# Altium PCB PROC099A_PCB.PcbDoc (part 6 of 6)
Units mil, origin at the board's own origin, x right, y up, seen from the top; angles counter-clockwise.
Board outline 3180 x 2565 mil, 6 copper layers (TOP, L2, L3, L4, L5, BOTTOM), stack 55.54 mil thick; 362 components, 264 nets, 1248 pads, 1144 vias.
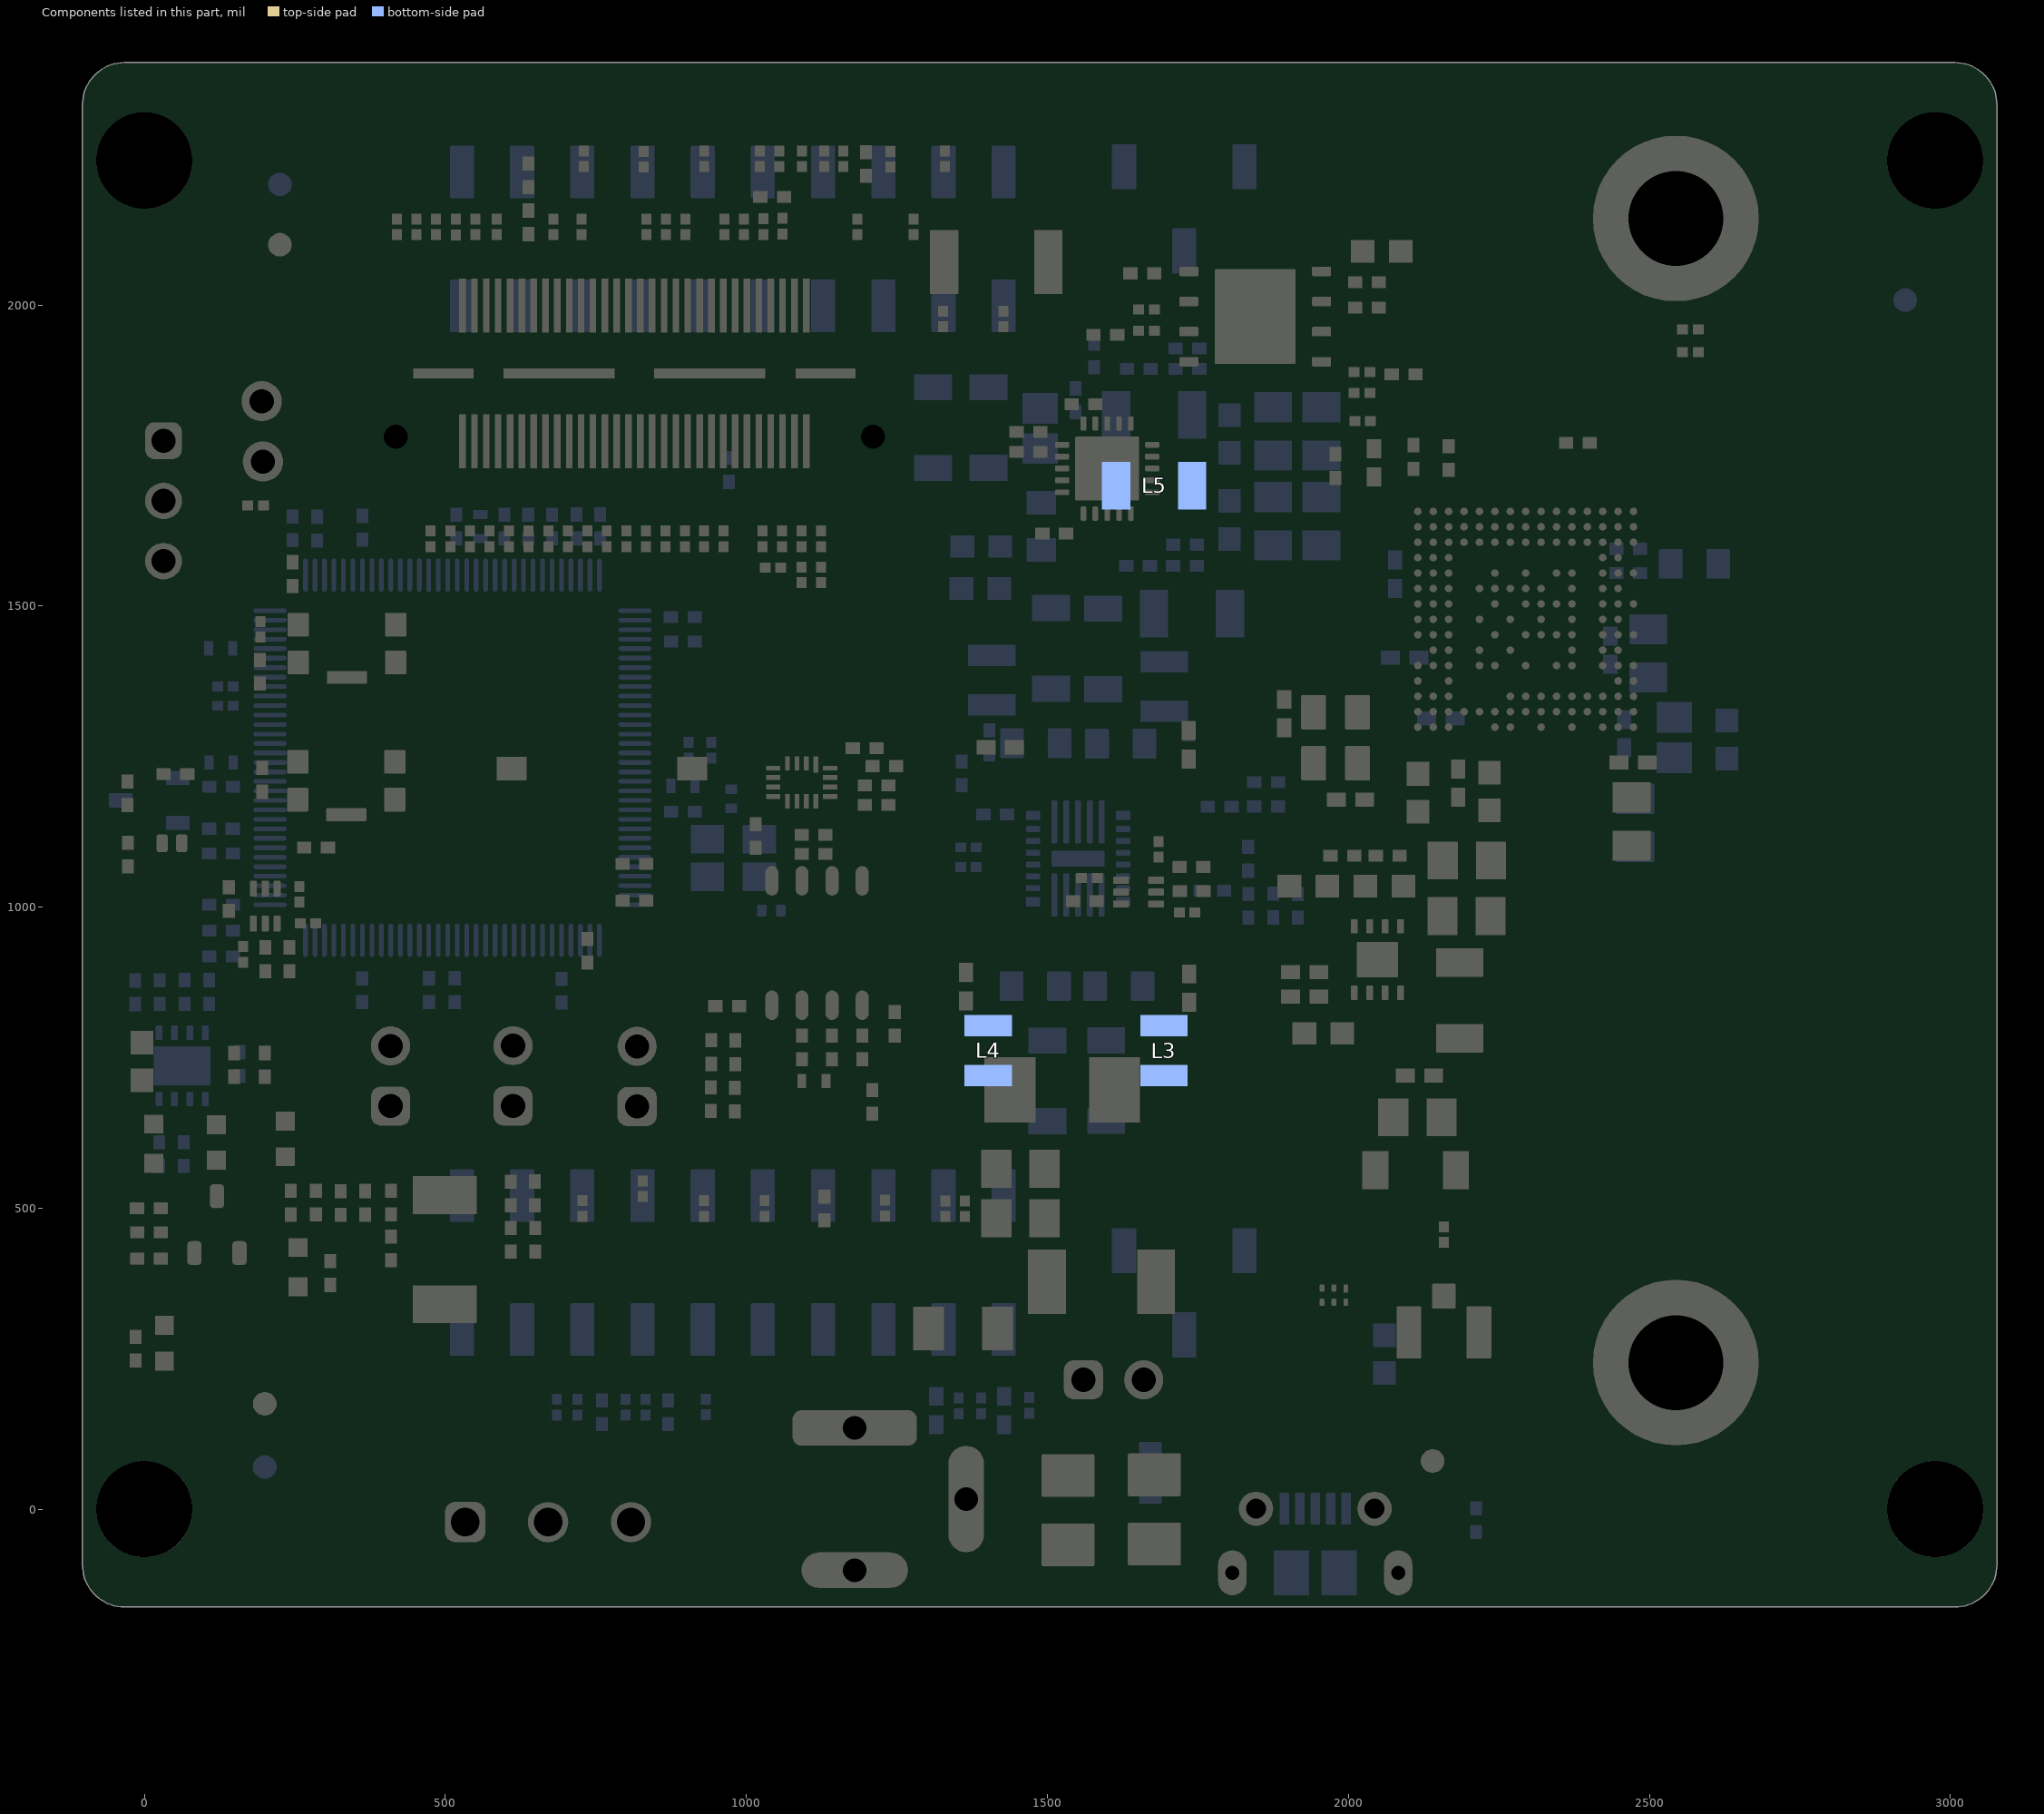
[diagram p10: the components of this part, seen from the top]

## Other copper (continued)
L3:
  pour cut-out: 1600.56,2174.5 1599.22,2181.22 1595.41,2186.91 1589.72,2190.72 1583,2192.06 1576.28,2190.72 1570.59,2186.91 1566.78,2181.22 1565.44,2174.5 1566.78,2167.78 1570.59,2162.09 1576.28,2158.28 1583,2156.94 1589.72,2158.28 1595.41,2162.09 1599.22,2167.78 1600.56,2174.5
  pour cut-out: 1386.56,2172.5 1385.22,2179.22 1381.41,2184.91 1375.72,2188.72 1369,2190.06 1362.28,2188.72 1356.59,2184.91 1352.78,2179.22 1351.44,2172.5 1352.78,2165.78 1356.59,2160.09 1362.28,2156.28 1369,2154.94 1375.72,2156.28 1381.41,2160.09 1385.22,2165.78 1386.56,2172.5
  pour cut-out: 1465.06,1124 1463.72,1130.72 1459.91,1136.41 1454.22,1140.22 1447.5,1141.56 1440.78,1140.22 1435.09,1136.41 1431.28,1130.72 1429.94,1124 1431.28,1117.28 1435.09,1111.59 1440.78,1107.78 1447.5,1106.44 1454.22,1107.78 1459.91,1111.59 1463.72,1117.28 1465.06,1124
  pour cut-out: 1820.56,1102 1819.22,1108.72 1815.41,1114.41 1809.72,1118.22 1803,1119.56 1796.28,1118.22 1790.59,1114.41 1786.78,1108.72 1785.44,1102 1786.78,1095.28 1790.59,1089.59 1796.28,1085.78 1803,1084.44 1809.72,1085.78 1815.41,1089.59 1819.22,1095.28 1820.56,1102
  pour cut-out: 2416.22,1501.7 2414.72,1509.2 2410.48,1515.56 2404.12,1519.8 2396.62,1521.3 2389.12,1519.8 2382.76,1515.56 2378.52,1509.2 2377.02,1501.7 2378.52,1494.2 2382.76,1487.84 2389.12,1483.6 2396.62,1482.1 2404.12,1483.6 2410.48,1487.84 2414.72,1494.2 2416.22,1501.7
  pour cut-out: 2135.56,970.5 2134.22,977.22 2130.41,982.91 2124.72,986.72 2118,988.06 2111.28,986.72 2105.59,982.91 2101.78,977.22 2100.44,970.5 2101.78,963.78 2105.59,958.09 2111.28,954.28 2118,952.94 2124.72,954.28 2130.41,958.09 2134.22,963.78 2135.56,970.5
  pour cut-out: 1881.56,952.5 1880.22,959.22 1876.41,964.91 1870.72,968.72 1864,970.06 1857.28,968.72 1851.59,964.91 1847.78,959.22 1846.44,952.5 1847.78,945.78 1851.59,940.09 1857.28,936.28 1864,934.94 1870.72,936.28 1876.41,940.09 1880.22,945.78 1881.56,952.5
  pour cut-out: 1904.56,1133.5 1903.22,1140.22 1899.41,1145.91 1893.72,1149.72 1887,1151.06 1880.28,1149.72 1874.59,1145.91 1870.78,1140.22 1869.44,1133.5 1870.78,1126.78 1874.59,1121.09 1880.28,1117.28 1887,1115.94 1893.72,1117.28 1899.41,1121.09 1903.22,1126.78 1904.56,1133.5
  pour cut-out: 1933.56,949.5 1932.22,956.22 1928.41,961.91 1922.72,965.72 1916,967.06 1909.28,965.72 1903.59,961.91 1899.78,956.22 1898.44,949.5 1899.78,942.78 1903.59,937.09 1909.28,933.28 1916,931.94 1922.72,933.28 1928.41,937.09 1932.22,942.78 1933.56,949.5
  pour cut-out: 1832.56,689.5 1831.22,696.22 1827.41,701.91 1821.72,705.72 1815,707.06 1808.28,705.72 1802.59,701.91 1798.78,696.22 1797.44,689.5 1798.78,682.78 1802.59,677.09 1808.28,673.28 1815,671.94 1821.72,673.28 1827.41,677.09 1831.22,682.78 1832.56,689.5
  pour cut-out: 1933.56,145.5 1932.22,152.22 1928.41,157.91 1922.72,161.72 1916,163.06 1909.28,161.72 1903.59,157.91 1899.78,152.22 1898.44,145.5 1899.78,138.78 1903.59,133.09 1909.28,129.28 1916,127.94 1922.72,129.28 1928.41,133.09 1932.22,138.78 1933.56,145.5
  pour cut-out: 1041.56,1842.5 1040.22,1849.22 1036.41,1854.91 1030.72,1858.72 1024,1860.06 1017.28,1858.72 1011.59,1854.91 1007.78,1849.22 1006.44,1842.5 1007.78,1835.78 1011.59,1830.09 1017.28,1826.28 1024,1824.94 1030.72,1826.28 1036.41,1830.09 1040.22,1835.78 1041.56,1842.5
  pour cut-out: 807.56,2308.5 806.22,2315.22 802.41,2320.91 796.72,2324.72 790,2326.06 783.28,2324.72 777.59,2320.91 773.78,2315.22 772.44,2308.5 773.78,2301.78 777.59,2296.09 783.28,2292.28 790,2290.94 796.72,2292.28 802.41,2296.09 806.22,2301.78 807.56,2308.5
  pour cut-out: 681.56,850 680.22,856.72 676.41,862.41 670.72,866.22 664,867.56 657.28,866.22 651.59,862.41 647.78,856.72 646.44,850 647.78,843.28 651.59,837.59 657.28,833.78 664,832.44 670.72,833.78 676.41,837.59 680.22,843.28 681.56,850
  pour cut-out: 741.56,125.5 740.22,132.22 736.41,137.91 730.72,141.72 724,143.06 717.28,141.72 711.59,137.91 707.78,132.22 706.44,125.5 707.78,118.78 711.59,113.09 717.28,109.28 724,107.94 730.72,109.28 736.41,113.09 740.22,118.78 741.56,125.5
  pour cut-out: 825.56,128.5 824.22,135.22 820.41,140.91 814.72,144.72 808,146.06 801.28,144.72 795.59,140.91 791.78,135.22 790.44,128.5 791.78,121.78 795.59,116.09 801.28,112.28 808,110.94 814.72,112.28 820.41,116.09 824.22,121.78 825.56,128.5
  pour cut-out: 467.56,2168.5 466.22,2175.22 462.41,2180.91 456.72,2184.72 450,2186.06 443.28,2184.72 437.59,2180.91 433.78,2175.22 432.44,2168.5 433.78,2161.78 437.59,2156.09 443.28,2152.28 450,2150.94 456.72,2152.28 462.41,2156.09 466.22,2161.78 467.56,2168.5
  pour cut-out: 479.56,1272.5 478.22,1279.22 474.41,1284.91 468.72,1288.72 462,1290.06 455.28,1288.72 449.59,1284.91 445.78,1279.22 444.44,1272.5 445.78,1265.78 449.59,1260.09 455.28,1256.28 462,1254.94 468.72,1256.28 474.41,1260.09 478.22,1265.78 479.56,1272.5
  pour cut-out: 468.56,280.5 467.22,287.22 463.41,292.91 457.72,296.72 451,298.06 444.28,296.72 438.59,292.91 434.78,287.22 433.44,280.5 434.78,273.78 438.59,268.09 444.28,264.28 451,262.94 457.72,264.28 463.41,268.09 467.22,273.78 468.56,280.5
  pour cut-out: 579.56,219.5 578.22,226.22 574.41,231.91 568.72,235.72 562,237.06 555.28,235.72 549.59,231.91 545.78,226.22 544.44,219.5 545.78,212.78 549.59,207.09 555.28,203.28 562,201.94 568.72,203.28 574.41,207.09 578.22,212.78 579.56,219.5
  pour cut-out: 527.56,221.5 526.22,228.22 522.41,233.91 516.72,237.72 510,239.06 503.28,237.72 497.59,233.91 493.78,228.22 492.44,221.5 493.78,214.78 497.59,209.09 503.28,205.28 510,203.94 516.72,205.28 522.41,209.09 526.22,214.78 527.56,221.5
  pour cut-out: 491.56,241.5 490.22,248.22 486.41,253.91 480.72,257.72 474,259.06 467.28,257.72 461.59,253.91 457.78,248.22 456.44,241.5 457.78,234.78 461.59,229.09 467.28,225.28 474,223.94 480.72,225.28 486.41,229.09 490.22,234.78 491.56,241.5
  pour cut-out: 366.56,1818.5 365.22,1825.22 361.41,1830.91 355.72,1834.72 349,1836.06 342.28,1834.72 336.59,1830.91 332.78,1825.22 331.44,1818.5 332.78,1811.78 336.59,1806.09 342.28,1802.28 349,1800.94 355.72,1802.28 361.41,1806.09 365.22,1811.78 366.56,1818.5
  pour cut-out: 332.56,1776.5 331.22,1783.22 327.41,1788.91 321.72,1792.72 315,1794.06 308.28,1792.72 302.59,1788.91 298.78,1783.22 297.44,1776.5 298.78,1769.78 302.59,1764.09 308.28,1760.28 315,1758.94 321.72,1760.28 327.41,1764.09 331.22,1769.78 332.56,1776.5
  pour cut-out: 284.56,1680.5 283.22,1687.22 279.41,1692.91 273.72,1696.72 267,1698.06 260.28,1696.72 254.59,1692.91 250.78,1687.22 249.44,1680.5 250.78,1673.78 254.59,1668.09 260.28,1664.28 267,1662.94 273.72,1664.28 279.41,1668.09 283.22,1673.78 284.56,1680.5
  pour cut-out: 142.56,686.5 141.22,693.22 137.41,698.91 131.72,702.72 125,704.06 118.28,702.72 112.59,698.91 108.78,693.22 107.44,686.5 108.78,679.78 112.59,674.09 118.28,670.28 125,668.94 131.72,670.28 137.41,674.09 141.22,679.78 142.56,686.5
  pour cut-out: 231.56,489.5 230.22,496.22 226.41,501.91 220.72,505.72 214,507.06 207.28,505.72 201.59,501.91 197.78,496.22 196.44,489.5 197.78,482.78 201.59,477.09 207.28,473.28 214,471.94 220.72,473.28 226.41,477.09 230.22,482.78 231.56,489.5
  pour cut-out: 334.56,451.5 333.22,458.22 329.41,463.91 323.72,467.72 317,469.06 310.28,467.72 304.59,463.91 300.78,458.22 299.44,451.5 300.78,444.78 304.59,439.09 310.28,435.28 317,433.94 323.72,435.28 329.41,439.09 333.22,444.78 334.56,451.5
  pour cut-out: 72.56,973.5 71.22,980.22 67.41,985.91 61.72,989.72 55,991.06 48.28,989.72 42.59,985.91 38.78,980.22 37.44,973.5 38.78,966.78 42.59,961.09 48.28,957.28 55,955.94 61.72,957.28 67.41,961.09 71.22,966.78 72.56,973.5
  pour cut-out: -14.44,807.5 -15.78,814.22 -19.59,819.91 -25.28,823.72 -32,825.06 -38.72,823.72 -44.41,819.91 -48.22,814.22 -49.56,807.5 -48.22,800.78 -44.41,795.09 -38.72,791.28 -32,789.94 -25.28,791.28 -19.59,795.09 -15.78,800.78 -14.44,807.5
  pour cut-out: 80.56,906.5 79.22,913.22 75.41,918.91 69.72,922.72 63,924.06 56.28,922.72 50.59,918.91 46.78,913.22 45.44,906.5 46.78,899.78 50.59,894.09 56.28,890.28 63,888.94 69.72,890.28 75.41,894.09 79.22,899.78 80.56,906.5
  pour cut-out: -30.44,715.5 -31.78,722.22 -35.59,727.91 -41.28,731.72 -48,733.06 -54.72,731.72 -60.41,727.91 -64.22,722.22 -65.56,715.5 -64.22,708.78 -60.41,703.09 -54.72,699.28 -48,697.94 -41.28,699.28 -35.59,703.09 -31.78,708.78 -30.44,715.5
  pour cut-out: 6.44,373.5 5.1,380.22 1.3,385.91 -4.4,389.72 -11.12,391.06 -17.84,389.72 -23.54,385.91 -27.34,380.22 -28.68,373.5 -27.34,366.78 -23.54,361.09 -17.84,357.28 -11.12,355.94 -4.4,357.28 1.3,361.09 5.1,366.78 6.44,373.5
  pour cut-out: 6.23,531.5 4.89,538.22 1.09,543.91 -4.61,547.72 -11.33,549.06 -18.05,547.72 -23.74,543.91 -27.55,538.22 -28.89,531.5 -27.55,524.78 -23.74,519.09 -18.05,515.28 -11.33,513.94 -4.61,515.28 1.09,519.09 4.89,524.78 6.23,531.5
  pour cut-out: 1425.56,1065 1424.22,1071.72 1420.41,1077.41 1414.72,1081.22 1408,1082.56 1401.28,1081.22 1395.59,1077.41 1391.78,1071.72 1390.44,1065 1391.78,1058.28 1395.59,1052.59 1401.28,1048.78 1408,1047.44 1414.72,1048.78 1420.41,1052.59 1424.22,1058.28 1425.56,1065
  pour cut-out: 1380.56,918 1379.22,924.72 1375.41,930.41 1369.72,934.22 1363,935.56 1356.28,934.22 1350.59,930.41 1346.78,924.72 1345.44,918 1346.78,911.28 1350.59,905.59 1356.28,901.78 1363,900.44 1369.72,901.78 1375.41,905.59 1379.22,911.28 1380.56,918
  pour cut-out: 1161.56,2065.5 1160.22,2072.22 1156.41,2077.91 1150.72,2081.72 1144,2083.06 1137.28,2081.72 1131.59,2077.91 1127.78,2072.22 1126.44,2065.5 1127.78,2058.78 1131.59,2053.09 1137.28,2049.28 1144,2047.94 1150.72,2049.28 1156.41,2053.09 1160.22,2058.78 1161.56,2065.5
  pour cut-out: 1225.56,2281.5 1224.22,2288.22 1220.41,2293.91 1214.72,2297.72 1208,2299.06 1201.28,2297.72 1195.59,2293.91 1191.78,2288.22 1190.44,2281.5 1191.78,2274.78 1195.59,2269.09 1201.28,2265.28 1208,2263.94 1214.72,2265.28 1220.41,2269.09 1224.22,2274.78 1225.56,2281.5
  pour cut-out: 596.76,532.5 595.42,539.22 591.61,544.91 585.92,548.72 579.2,550.06 572.48,548.72 566.78,544.91 562.98,539.22 561.64,532.5 562.98,525.78 566.78,520.09 572.48,516.28 579.2,514.94 585.92,516.28 591.61,520.09 595.42,525.78 596.76,532.5
  pour cut-out: 1589.58,2229.48 1588.24,2236.2 1584.43,2241.9 1578.74,2245.7 1572.02,2247.04 1565.3,2245.7 1559.61,2241.9 1555.8,2236.2 1554.46,2229.48 1555.8,2222.76 1559.61,2217.06 1565.3,2213.26 1572.02,2211.92 1578.74,2213.26 1584.43,2217.06 1588.24,2222.76 1589.58,2229.48
  pour cut-out: 1604.43,2016.01 1603.09,2022.73 1599.28,2028.42 1593.59,2032.23 1586.87,2033.57 1580.15,2032.23 1574.45,2028.42 1570.65,2022.73 1569.31,2016.01 1570.65,2009.29 1574.45,2003.59 1580.15,1999.79 1586.87,1998.45 1593.59,1999.79 1599.28,2003.59 1603.09,2009.29 1604.43,2016.01
  pour cut-out: 2001.15,1420.93 2001.15,1399.1 2010.71,1389.54 2033.02,1389.54 2042.9,1399.42 2042.9,1422.35 2034.76,1430.49 2010.7,1430.49
  pour cut-out: 2388.47,801.94 2388.47,787.64 2399.47,776.64 2411.42,776.64 2420.44,785.66 2420.44,800.04 2411.42,809.06 2395.59,809.06
  pour cut-out: 2325.12,882.28 2325.12,867.98 2336.12,856.98 2348.06,856.98 2357.09,866 2357.09,880.38 2348.06,889.4 2332.24,889.4
  pour cut-out: 2072.08,1321.15 2072.08,1305.01 2081.98,1295.11 2101.41,1295.11 2114.7,1308.4 2114.7,1320.49 2104.79,1330.41 2081.34,1330.41
  pour cut-out: 1755.04,2103.69 1755.04,2078.14 1763.26,2069.92 1780.02,2069.92 1796.11,2086.02 1796.11,2105.18 1789.22,2112.08 1763.42,2112.08
  pour cut-out: 2060.04,2009.43 2060.04,1983.88 2068.26,1975.66 2085.02,1975.66 2101.11,1991.76 2101.11,2010.92 2094.22,2017.82 2068.42,2017.82
  pour cut-out: 2221.47,724.94 2221.47,706.23 2231.08,696.62 2245.63,696.62 2253.44,704.43 2253.44,724.46 2245.84,732.06 2228.59,732.06
  pour cut-out: 216.76,785.5 215.42,792.22 211.62,797.91 205.92,801.72 199.2,803.06 192.48,801.72 186.79,797.91 182.98,792.22 181.64,785.5 182.98,778.78 186.79,773.09 192.48,769.28 199.2,767.94 205.92,769.28 211.62,773.09 215.42,778.78 216.76,785.5
  pour cut-out: 1078.54,924.46 1077.21,931.18 1073.4,936.88 1067.7,940.68 1060.98,942.02 1054.27,940.68 1048.57,936.88 1044.76,931.18 1043.43,924.46 1044.76,917.74 1048.57,912.05 1054.27,908.24 1060.98,906.9 1067.7,908.24 1073.4,912.05 1077.21,917.74 1078.54,924.46
  pour cut-out: 2470.18,1676.36 2470.18,1662.36 2496.03,1636.52 2510.94,1636.52 2510.94,1707.84 2501.66,1707.84
  pour cut-out: 930.41,1685.77 930.41,1690.52 920.25,1700.69 920.25,1723.05 929.65,1732.45 971.87,1732.45 974.54,1729.79
  pour cut-out: 2186.37,1031.38 2185.03,1038.1 2181.23,1043.8 2175.53,1047.6 2168.81,1048.94 2162.09,1047.6 2156.4,1043.8 2152.59,1038.1 2151.26,1031.38 2152.59,1024.67 2156.4,1018.97 2162.09,1015.16 2168.81,1013.83 2175.53,1015.16 2181.23,1018.97 2185.03,1024.67 2186.37,1031.38
  pour cut-out: 2269.24,957 2269.24,942.7 2280.24,931.7 2292.18,931.7 2301.2,940.73 2301.2,955.1 2292.18,964.12 2276.36,964.12
  text "3" at 68.06,102.36 h50
  text ".Layer_Name" at -523,-1458.49 h60
L4:
  drawing of 93 lines, arcs and shapes, not listed
  text "4" at 68.06,102.36 h50
  text ".Layer_Name" at -523,-1458.49 h60
L5:
  text "5" at 68.06,102.36 h50
  text ".Layer_Name" at -523,-1458.49 h60
BOTTOM:
  pour cut-out: 2691.21,2143.55 2689.4,2166.59 2684.01,2189.06 2675.16,2210.41 2663.09,2230.11 2648.08,2247.68 2630.51,2262.69 2610.81,2274.76 2589.46,2283.61 2566.99,2289 2543.95,2290.81 2520.91,2289 2498.44,2283.61 2477.09,2274.76 2457.39,2262.69 2439.82,2247.68 2424.81,2230.11 2412.74,2210.41 2403.89,2189.06 2398.5,2166.59 2396.69,2143.55 2398.5,2120.51 2403.89,2098.04 2412.74,2076.69 2424.81,2056.99 2439.82,2039.42 2457.39,2024.41 2477.09,2012.34 2498.44,2003.49 2520.91,1998.1 2543.95,1996.29 2566.99,1998.1 2589.46,2003.49 2610.81,2012.34 2630.51,2024.41 2648.08,2039.42 2663.09,2056.99 2675.16,2076.69 2684.01,2098.04 2689.4,2120.51 2691.21,2143.55
  pour cut-out: 2691.21,243.55 2689.4,266.59 2684.01,289.06 2675.16,310.41 2663.09,330.11 2648.08,347.68 2630.51,362.69 2610.81,374.76 2589.46,383.61 2566.99,389 2543.95,390.81 2520.91,389 2498.44,383.61 2477.09,374.76 2457.39,362.69 2439.82,347.68 2424.81,330.11 2412.74,310.41 2403.89,289.06 2398.5,266.59 2396.69,243.55 2398.5,220.51 2403.89,198.04 2412.74,176.69 2424.81,156.99 2439.82,139.42 2457.39,124.41 2477.09,112.34 2498.44,103.49 2520.91,98.1 2543.95,96.29 2566.99,98.1 2589.46,103.49 2610.81,112.34 2630.51,124.41 2648.08,139.42 2663.09,156.99 2675.16,176.69 2684.01,198.04 2689.4,220.51 2691.21,243.55
  pour cut-out: 2027.6,469.16 2026.1,476.66 2021.86,483.02 2015.5,487.26 2008,488.76 2000.5,487.26 1994.14,483.02 1989.9,476.66 1988.4,469.16 1989.9,461.66 1994.14,455.3 2000.5,451.06 2008,449.56 2015.5,451.06 2021.86,455.3 2026.1,461.66 2027.6,469.16
  pour cut-out: 2559.6,1753.5 2558.1,1761 2553.86,1767.36 2547.5,1771.6 2540,1773.1 2532.5,1771.6 2526.14,1767.36 2521.9,1761 2520.4,1753.5 2521.9,1746 2526.14,1739.64 2532.5,1735.4 2540,1733.9 2547.5,1735.4 2553.86,1739.64 2558.1,1746 2559.6,1753.5
  pour cut-out: 2597.6,1841.5 2596.1,1849 2591.86,1855.36 2585.5,1859.6 2578,1861.1 2570.5,1859.6 2564.14,1855.36 2559.9,1849 2558.4,1841.5 2559.9,1834 2564.14,1827.64 2570.5,1823.4 2578,1821.9 2585.5,1823.4 2591.86,1827.64 2596.1,1834 2597.6,1841.5
  pour cut-out: 2920.17,1934.93 2918.67,1942.43 2914.43,1948.79 2908.07,1953.03 2900.57,1954.53 2893.07,1953.03 2886.71,1948.79 2882.47,1942.43 2880.97,1934.93 2882.47,1927.43 2886.71,1921.07 2893.07,1916.83 2900.57,1915.33 2908.07,1916.83 2914.43,1921.07 2918.67,1927.43 2920.17,1934.93
  pour cut-out: 2863.6,1991.5 2862.1,1999 2857.86,2005.36 2851.5,2009.6 2844,2011.1 2836.5,2009.6 2830.14,2005.36 2825.9,1999 2824.4,1991.5 2825.9,1984 2830.14,1977.64 2836.5,1973.4 2844,1971.9 2851.5,1973.4 2857.86,1977.64 2862.1,1984 2863.6,1991.5
  pour cut-out: 2151.7,1291.49 2147.75,1291.49 2115.09,1258.83 2115.09,1267.92 2129.83,1282.66 2129.83,1293.11 2123.32,1299.62 2097.57,1299.62 2093.78,1295.83 2084.86,1295.83 2077.28,1303.41 2077.28,1358.83 2083.95,1365.49 2097.57,1365.49 2103.93,1359.14 2103.93,1333.24 2107.42,1329.76 2150.88,1329.76 2156.72,1323.91 2156.72,1296.51
  pour cut-out: 2115.09,1148.14 2115.09,1128.65 2129.49,1114.24 2123.74,1108.49 2093.29,1108.49 2085.17,1116.61 2085.17,1128.76 2096.68,1140.27 2107.22,1140.27
  text "6" at 101.39,102.36 h50
  text ".Layer_Name" at -523,-1458.49 h60

## Silkscreen, mask and mechanical layers (free items; w line width, h text height)
Top Overlay:
  circle w6: c894.62,627.38 r17.83
  circle w6: c485.18,628.05 r17.83
  circle w6: c688.62,628.38 r17.83
  circle w6: c-42.06,1837.57 r14.11
  circle w6: c1489.33,267.42 r14.11
  circle w6: c2007.63,386.64 r7.14
  text "HD_CONN" at 325,1793.5 h35 r90
  text "GND" at -48.33,1613 h35 r90
  text "2243-EVM" at 648,1502.5 h30
  text "PROC099 REV A" at 652,1437.33 h30
  text "GPIO1" at 504.55,1382.74 h35 r90
  text "SPI" at 569.09,1196.05 h35 r90
  text "CAN" at 987.03,1180.35 h35 r90
  text "NRST" at 504.55,1144.97 h35 r90
  text "ON" at 914.7,1109.62 h35 r90.31
  text "SOP2" at 424,836.5 h35 r90
  text "SOP1" at 624,831.5 h35 r90
  text "SOP0" at 829,831.5 h35 r90
  text "5V" at 278.28,691.14 h35 r90
  text "NERR_OUT" at 107.44,686.5 h35 r90
  text "5V_IN" at 1117.5,271 h35
  text "NRST" at 298.71,228.51 h35 r90
  text "WARMRST" at 134.9,184 h32 r89.47
  text "GND" at 679.67,133 h35 r90
  text "CAN_L" at 963.67,65 h35 r90
  text "CAN_H" at 439.67,64 h35 r90
  text "USB" at 1958,-52.5 h35 r90
  text ".Layer_Name" at -523,-1458.49 h60
Bottom Overlay:
  drawing of 8192 lines, arcs and shapes, not listed
  text "GND" at 1635.34,2394.5 h35 r90
  text "GND" at 1736.34,2394.5 h35 r90
  text "GND" at 544.67,2389.5 h35 r90
  text "3V3" at 1842.66,2383.93 h30 r90
  text "GND" at 691.34,695.5 h35 r90
  text "GND" at 1639.34,609.5 h35 r90
  text "GND" at 1748.34,608.5 h35 r90
  text ".Layer_Name" at -523,-1458.49 h60
Top Paste:
  text ".Layer_Name" at -523,-1458.49 h60
Bottom Paste:
  text ".Layer_Name" at -523,-1458.49 h60
Top Solder:
  text ".Layer_Name" at -523,-1458.49 h60
  text ".Layer_Name" at -523,-1458.49 h60
Bottom Solder:
  pour cut-out: 1481.31,1176.95 1481.31,1160.02 1464.38,1160.02 1464.38,1144.28 1495.09,1144.28 1495.09,1176.95 1481.31,1176.95
  pour cut-out: 1620.69,1176.95 1620.69,1160.02 1637.62,1160.02 1637.62,1144.28 1606.91,1144.28 1606.91,1176.95 1620.69,1176.95
  pour cut-out: 1481.31,984.05 1481.31,1000.98 1464.38,1000.98 1464.38,1016.72 1495.09,1016.72 1495.09,984.05 1481.31,984.05
  pour cut-out: 1620.69,984.05 1620.69,1000.98 1637.62,1000.98 1637.62,1016.72 1606.91,1016.72 1606.91,984.05 1620.69,984.05
  text ".Layer_Name" at -523,-1458.49 h60
Drill Guide:
  text ".Layer_Name" at -523,-1458.49 h60
M1 Board Outline:
  the board outline again, w10
  text ".Layer_Name" at -523,-1458.49 h60
M2 Board Dimensions:
  text ".Layer_Name" at -523,-1458.49 h60
M3 3D STEP Top:
  drawing of 2189 lines, arcs and shapes, not listed
  text ".Layer_Name" at -523,-1458.49 h60
M4 3D STEP Bottom:
  drawing of 3548 lines, arcs and shapes, not listed
  text ".Layer_Name" at -523,-1458.49 h60
M5 Assembly Top:
  region: 1573.73,232.01 1541.58,232.01 1541.58,199 1573.73,199
  rectangle: 3.25,1755.12 61.5,1795.24
  rectangle: 392.36,652.17 425.79,686.46
  rectangle: 595.1,653.88 628.11,683.89
  rectangle: 804.71,651.74 836.86,684.75
  rectangle: 505.35,-45.85 561.85,-0.8
  lines w10: -1392,-1530.17 5208,-1530.17 ; -1392,-1326.83 5210,-1326.83 ; -1392,-1123.5 -1392,-1733.5 2613,-1733.5 5210,-1733.5 5210,-1123.5 -1391.5,-1123.5 -1391.5,-1733.5 184,-1733.5 ; 1073,-1733.5 1073,-1123.5 ; 2340,-1326.83 2340,-1123.5 ; 3180,-1326.83 3180,-1123.5 ; 3802,-1740 3802,-1537.17
  text "COMPONENTS MARKED 'DNP' SHOULD NOT BE POPULATED." at 53.5,-918.5 h60
  text "ASSEMBLY VARIANT:" at 53,-1034 h60
  text ".VariantName" at 1089,-1034 h60
  text "PCB VIEWED FROM TOP SIDE" at -1328.5,-1255.67 h60
  text "BOARD #:" at 1148,-1255.67 h60
  text ".PRJ_Number" at 1693.5,-1255.67 h60
  text "REV:" at 2538,-1255.67 h60
  text ".PCB_Rev" at 2829.5,-1255.67 h60
  text "SVN REV:" at 3376,-1255.67 h60
  text ".VersionControl_RevNumber" at 3882,-1255.67 h60
  text "TID #:" at 1148,-1459 h60
  text ".TID" at 1693.5,-1459 h60
  text "PLOT NAME =" at -1328.5,-1664.34 h60
  text ".plot_File_Name" at -523,-1664.34 h60
  text "GENERATED    :" at 1150,-1664.34 h60
  text ".Print_Date" at 2019.5,-1664.34 h60
  text ".Print_Time" at 2748.5,-1664.34 h60
  text "TEXAS INSTRUMENTS" at 4013,-1664.34 h60
M6 Assembly Bottom:
  rectangle: 477.5,309.5 520.87,346.52
  rectangle: 477.5,2009.5 520.08,2041.65
  lines w10: -1392.5,-1327.33 5209.5,-1327.33 ; -1390.5,-1530.67 5209.5,-1530.67 ; 15.5,-1740.5 15.5,-1537.67 ; 637.5,-1327.33 637.5,-1124 ; 1477.5,-1327.33 1477.5,-1124 ; 2744.5,-1734 2744.5,-1124 ; 3633.5,-1734 5209,-1734 5209,-1124 -1392.5,-1124 -1392.5,-1734 1204.5,-1734 5209.5,-1734 5209.5,-1124
  text "COMPONENTS MARKED 'DNP' SHOULD NOT BE POPULATED." at 5002,-918 h60
  text ".VariantName" at 3958,-1034 h60
  text "ASSEMBLY VARIANT:" at 4997,-1034 h60
  text ".VersionControl_RevNumber" at -64.5,-1256.17 h60
  text "SVN REV:" at 441.5,-1256.17 h60
  text ".PCB_Rev" at 988,-1256.17 h60
  text "REV:" at 1279.5,-1256.17 h60
  text ".PRJ_Number" at 2124,-1256.17 h60
  text "BOARD #:" at 2669.5,-1256.17 h60
  text "PCB VIEWED FROM BOTTOM SIDE" at 5146,-1256.17 h60
  text ".TID" at 2124,-1459.5 h60
  text "TID #:" at 2669.5,-1459.5 h60
  text "TEXAS INSTRUMENTS" at -195.5,-1664.84 h60
  text ".Print_Time" at 1069,-1664.84 h60
  text ".Print_Date" at 1798,-1664.84 h60
  text "GENERATED    :" at 2667.5,-1664.84 h60
  text ".plot_File_Name" at 4340.5,-1664.84 h60
  text "PLOT NAME =" at 5146,-1664.84 h60
1:
  lines w1: 2633.36,918.75 2633.36,1666.78 3042.41,1666.78 3042.41,918.75 2633.36,918.75
2:
  drawing of 7 lines, arcs and shapes, not listed
M9 Title Sheet:
  drawing of 59 lines, arcs and shapes, not listed
  text "1" at -360.16,7436.5 h70
  text "2" at 2135.5,7436.5 h70
  text "3" at 4624.84,7436.5 h70
  text "4" at 7131.51,7436.5 h70
  text "5" at 9630.5,7436.5 h70
  text "6" at 12135.5,7436.5 h70
  text "A" at -1516.5,6293.5 h70
  text "A" at 13283.5,6293.5 h70
  text "B" at -1516.5,3913.5 h70
  text "B" at 13283.5,3913.5 h70
  text "C" at -1516.5,1538.5 h70
  text "C" at 13283.5,1538.5 h70
  text "PROJECT TITLE:" at 10243.5,-322.5 h45
  text ".PRJ_Title" at 10293.5,-455.83 h70
  text "DESIGNED FOR:" at 10243.5,-623.5 h45
  text ".PRJ_Customer" at 10293.5,-763.5 h70
  text "D" at -1516.5,-831.5 h70
  text "D" at 13283.5,-831.5 h70
  text "FILE NAME:" at 10243.5,-923.5 h45
  text ".PCB_File_Name_No_Path" at 10293.5,-1043.5 h70
  text "Texas Instruments (TI) and/or its licensors do not warrant the accuracy or completeness of this specification" at 5274,-1205.34 h45
  text "ENGINEER:" at 10243.5,-1213.5 h45
  text "LAYOUT BY:" at 11748.5,-1213.5 h45
  text "or any information contained therein. TI and/or its licensors do not warrant that this design will meet" at 5229.01,-1318 h45
  text ".PRJ_Engineer" at 10293.5,-1368.49 h70
  text ".PCB_Layout" at 11799,-1368.49 h70
  text "the specifications, will be suitable for your application or fit for any particular purpose, or will operate in" at 5229.01,-1430.67 h45
  text ".Layer_Name" at -523,-1458.49 h60
  text "ALTIUM DESIGNER VERSION:" at 11748.5,-1523.5 h45
  text "an implementation. TI and/or its licensors do not warrant that the design is production worthy. You should" at 5229.01,-1543.33 h45
  text "completely validate and test your design implementation to confirm the system functionality for your application." at 5274,-1656 h45
  text ".print_Scale" at 10293.5,-1656.83 h70
  text ".Application_BuildNumber" at 11799,-1656.83 h70
  text "1" at -360.16,-1863.5 h70
  text "2" at 2135.5,-1863.5 h70
  text "3" at 4624.84,-1863.5 h70
  text "4" at 7131.51,-1863.5 h70
  text "5" at 9630.5,-1863.5 h70
  text "WO # : 307314-7312-D" at 12135.5,-1863.5 h70
M10 Fab Notes:
  drawing of 211 lines, arcs and shapes, not listed
  text "DESIGN INFORMATION" at 11282.02,5756.17 h60
  text "3.9" at 11684.18,5628.43 h60
  text "MIN. TRACK WIDTH:" at 10637.46,5624.05 h60
  text "MIL" at 11888.46,5624.05 h60
  text "3.9" at 11684.18,5505.31 h60
  text "MIN. CLEARANCE:" at 10637.46,5499.92 h60
  text "MIL" at 11887.46,5493.05 h60
  text "13.77" at 11607.21,5377.48 h60
  text "MIN. VIA PAD SIZE:" at 10637.46,5375.8 h60
  text "MIL" at 11888.46,5375.8 h60
  text "0.05mm (2MIL)" at 11332.46,5245.9 h60
  text "MINIMUM ANNULAR RING" at 10308.23,5237.67 h60
  text "EXTERNAL" at 12040.46,5237.67 h60
  text "PER" at 10508.23,5127.55 h60
  text "IPC-D-275 CLASS 2 LEVEL C" at 10728.23,5127.54 h60
  text "MIL, HOLES" at 12216.46,5027.07 h60
  text "+/-" at 11824,5018.48 h60
  text "+/-" at 12678,5018.48 h60
  text "REGISTRATION TOLERANCES:" at 10308.23,5017.42 h60
  text "METAL" at 11508,5017.42 h60
  text "2" at 12084.2,5017.42 h60
  text "3" at 12917.2,5017.42 h60
  text "MIL" at 13033.46,5017.42 h60
  text "HOLE SIZE TOLERANCE (UNLESS OTHERWISE SPECIFIED):" at 10308.23,4919.1 h60
  text "+/-" at 12678,4916.23 h60
  text "3" at 12917.2,4915.17 h60
  text "MIL" at 13033.46,4915.17 h60
  text "MATERIAL:" at 10233.46,4777.52 h60
  text "FR-4 High Tg" at 11219.9,4649 h60
  text "REFER STACKUP" at 12479.29,4645.02 h60
  text "X" at 11955.46,4641.01 h60
  text "FR-408" at 10654.46,4636.49 h60
  text "OTHER" at 12142.46,4636.49 h60
  text "X" at 12138.91,4493.91 h60
  text "62 MIL (1.6mm) +/-10%" at 10974.56,4493.46 h60
  text "57.14 MIL +/-10%" at 12537.59,4492.07 h50
  text "THICKNESS:" at 10308.23,4485.24 h60
  text "OTHER" at 12259.46,4485.24 h60
  text "TOLERANCE:" at 10308.23,4346.92 h60
  text "X" at 11156.46,4346.92 h60
  text "ANSI IPC-6012 TYPE 3 CLASS 2" at 11334.48,4346.92 h60
  text "OTHER +/-" at 11334.46,4202.73 h60
  text "BOW & TWIST:" at 10308.23,4057.54 h60
  text "X" at 11156.46,4057.54 h60
  text "ANSI IPC-6012 TYPE 3 CLASS 2" at 11334.48,4057.54 h60
  text "OTHER +/-" at 11334.46,3910.85 h60
  text "DRILLING:" at 10233.46,3780.23 h60
  text "NC_DRILL FILES" at 11994.46,3675.04 h60
  text "REFERENCE:" at 10308.23,3671.1 h60
  text "X" at 10965.46,3671.01 h60
  text "AS SHOWN" at 11143.46,3671.1 h60
  text "X" at 11866.46,3671.1 h60
  text "OTHER" at 12292.46,3528.85 h60
  text "PTH COPPER THICKNESS:" at 10307.91,3525.32 h60
  text "X" at 11447.14,3525.32 h60
  text "20-30 um" at 11575.14,3525.32 h60
  text "BOARD FINISH:" at 10233.46,3377.73 h60
  text "SILKSCREEN:" at 10388.68,3267.6 h60
  text "X" at 11346.46,3267.6 h60
  text "TOP" at 11463.46,3267.6 h60
  text "X" at 11856.46,3267.6 h60
  text "BOTTOM" at 11974.46,3267.6 h60
  text "SILKSCREEN COLOR:" at 10388.68,3112.41 h60
  text "X" at 11345.46,3112.41 h60
  text "WHITE" at 11463.46,3112.41 h60
  text "OTHER" at 11974.46,3112.41 h60
  text "REFER NOTE 8" at 12531.96,2973.55 h60
  text "GREEN" at 11594.46,2968.96 h60
  text "X" at 12068.46,2968.96 h60
  text "OTHER" at 12212.46,2968.96 h60
  text "SOLDER RESIST COLOR:" at 10388.68,2962.1 h60
  text "X" at 11476.46,2814.71 h60
  text "MATTE" at 11594.46,2814.71 h60
  text "SEMI-GLOSS" at 12212,2814.07 h60
  text "IMMERSION GOLD (ENIG)" at 11294.46,2641.94 h60
  text "ENEPIG" at 12632,2634.72 h60
  text "SURFACE FINISH:" at 10233.46,2633.72 h60
  text "REFER NOTE 7" at 12356.19,2502.8 h60
  text "IMM. TIN/SILVER OR EQUIV" at 10563,2496.4 h60
  text "X" at 11822.92,2493.72 h60
  text "OTHER" at 11994.46,2492.47 h60
  text "ARRAY/PANEL:" at 10233.46,2337.09 h60
  text "CUT AND TRIM PER M1 BOARD OUTLINE" at 11294.46,2328.87 h60
  text "NOTES : UNLESS OTHERWISE SPECIFIED." at 4571.25,2263.62 h60
  text "N.C. ROUTE" at 11294.46,2192.9 h60
  text "X" at 11982.46,2192.9 h60
  text "V. SCORE" at 12160.46,2192.9 h60
  text "1. ALL VIAS ARE TENTED ON BOTH SIDES UNLESS SOLDERMASK OPENED IN GERBER." at 4680.97,2112.73 h60
  text "CERTIFICATION:" at 10233.46,2063.77 h60
  text "MATERIALS AND WORKMANSHIP FOR ALL PCBS" at 10958.46,2063.77 h60
  text "2. ALL VIAS ON PAD INCLUDING BGA AREA SHOULD BE FILLED WITH NON CONDUCTIVE EPOXY AND SURFACE SHOULD BE FLAT" at 4668.66,1987.45 h60
  text "TO MEET OR EXCEED THE REQUIREMENTS OF:" at 10958.46,1969.71 h60
  text "THERE ARE MANY VIAS ON THE PCB WHICH ARE EITHER ON THE PADS OR CLOSE TO PADS" at 4787.44,1880.17 h60
  text "X" at 10595.97,1841.08 h60
  text "ANSI IPC-A-600F CLASS ->" at 10723.96,1841.08 h60
  text "X" at 12371.97,1841.08 h60
  text "2" at 12481.96,1841.08 h60
  text "1" at 12166.96,1839.58 h60
  text "3" at 12835.96,1839.58 h60
  text "THESE NEED TO BE FILLED WITH A NON-CONDUCTIVE EPOXY TO ENSURE FLAT SURFACE." at 4787.44,1779.43 h60
  text "X" at 11407.97,1693.39 h60
  text "RoHS" at 11535.96,1693.39 h60
  text "OTHER" at 12180.36,1693.39 h60
  text "PER ORDER" at 12577.42,1693.39 h60
  text "BGA AREA VIAS SHOULD BE CAPPED WITH COPPER PLATING TO ENSURE FLAT SURFACE" at 4792.93,1677.9 h60
  text "FLATNESS TOLERANCE FOR VIA ON PADS: +0.000 /- 0.001 INCHES ON BOTH SIDES." at 4792.93,1569.81 h60
  text "ALL BOARDS MUST MEET OR EXCEED UL94-V0 REQUIREMENTS." at 10261,1539.57 h60
  text "3. MANUFACTURER'S IDENTIFICATION, DATECODE LETTER SHALL BE SILKSCREENED ON SOLDER SIDE OF THE BOARD." at 4669.6,1436.68 h60
  text "PCB MUST BEAR THE UL94V-0 UL REGISTERED MATERIAL ID NUMBER" at 10261,1423.5 h60
  text "4. TRACE WIDTH SHOULD BE ACCURATELY ETCHED. MAX TOLERANCE +/- 1 MIL" at 4669.6,1299.99 h60
  text "ADDITIONAL REQUIREMENTS:" at 10233.46,1254.08 h60
  text "5. FOR IMPEDANCE DETAILS REFER STACKUP & IMPEDANCE TABLE." at 4669.6,1159.9 h60
  text "MICROSECTION:" at 10308.23,1146.95 h60
  text "YES" at 11213.96,1146.95 h60
  text "REQUIRED" at 12075.46,1002.62 h60
  text "BARE BOARD ELEC. TEST:" at 10308.23,999.76 h60
  text "NONE" at 11613.96,999.76 h60
  text "X" at 11957.46,999.76 h60
  text "PER ORDER" at 12667.46,999.76 h60
  text "6. SOLDER MASK OPENING IS KEPT SAME SIZE AS PAD (1:1) FOR ALL COMPONENTS EXCEPT U2" at 4669.6,995.9 h60
  text "THE MANUFACTURER IS REQUESTED TO SIZE IT AS PER THEIR SOLDERMASK TOLERANCE." at 4784.01,889.17 h60
  text "XX MIL VIAS REQUIRE NON-CONDUCTIVE FILL AND PLANARIZE" at 10476.38,794.82 h59
  text "FOR U2 (BGA) PLEASE FOLLOW SAME SOLDERMASK SIZE AS GERBER" at 4796.11,779.23 h60
  text "XX MIL VIAS REQUIRE CONDUCTIVE FILL AND PLANARIZE" at 10484.38,690.84 h60
  text "7. SURFACE FINISH: IMMERSION SILVER" at 4669.6,641.3 h60
  text "OUTER XX MIL TRACES REQUIRE 50 OHM SINGLE-ENDED IMPEDANCE" at 10483.39,527.46 h56
  text "8. SOLDERMASK ON BOTH SIDES OF THE BOARD SHALL BE LPI, COLOR RED." at 4669.6,467.34 h60
  text "LAYER 2 & 3 (INNER LAYERS) XX MIL WIDE, XX MIL SPACE / TRACES REQUIRE 100 OHM DIFFERENTIAL IMPEDANCE" at 10475.39,291.74 h60
  text "9. FOR ANTENNA ETCHING TOLERANCE REFER \"ANTENNA ETCHING REQUIREMETS\" DOCUMENT." at 4669.6,288.48 h60
  text "10. THE FOUR GND NET ANTENNAS NEAR Y1 ARE INTENTIONAL" at 4634.42,154.85 h60
  text ".Layer_Name" at -523,-1458.49 h60
M11 Gerber Information:
  lines w10: -1392,-1530.17 5208,-1530.17 ; -1392,-1326.83 5210,-1326.83 ; -1392,-1123.5 -1392,-1733.5 2613,-1733.5 5210,-1733.5 5210,-1123.5 -1391.5,-1123.5 -1391.5,-1733.5 184,-1733.5 ; 1073,-1733.5 1073,-1123.5 ; 2340,-1326.83 2340,-1123.5 ; 3180,-1326.83 3180,-1123.5 ; 3802,-1740 3802,-1537.17
  text "ALL ARTWORK VIEWED FROM TOP SIDE" at -1328.5,-1255.67 h60
  text "BOARD #:" at 1148,-1255.67 h60
  text ".PRJ_Number" at 1693.5,-1255.67 h60
  text "REV:" at 2538,-1255.67 h60
  text ".PCB_Rev" at 2829.5,-1255.67 h60
  text "SVN REV:" at 3376,-1255.67 h60
  text ".VersionControl_RevNumber" at 3882,-1255.67 h60
  text "LAYER NAME =" at -1328.5,-1458.49 h60
  text "TID #:" at 1148,-1459 h60
  text ".TID" at 1693.5,-1459 h60
  text "GENERATED    :" at 1150,-1664.34 h60
  text ".Print_Date" at 2019.5,-1664.34 h60
  text ".Print_Time" at 2748.5,-1664.34 h60
  text "TEXAS INSTRUMENTS" at 4013,-1664.34 h60
M12 Stackup:
  drawing of 480 lines, arcs and shapes, not listed
  text "LAYER STACKUP :" at -787.01,7220.54 h60
  text "Layer" at -787.72,7049.91 h50
  text "Name" at -444.79,7049.91 h50
  text "Material" at 331.33,7049.91 h50
  text "Thickness" at 1049.14,7049.91 h50
  text "Constant" at 1592,7049.91 h50
  text "Board Layer Stack" at 2068.22,7049.91 h50
  text "1" at -787.72,6949.91 h50
  text "Top Overlay" at -444.79,6949.91 h50
  text "2" at -787.72,6849.91 h50
  text "Top Solder" at -444.79,6849.91 h50
  text "Solder Resist" at 331.33,6849.91 h50
  text "0.80mil" at 1049.14,6849.91 h50
  text "3.5" at 1592,6849.91 h50
  text "5" at -940.77,6764.82 h60
  text "3" at -787.72,6749.91 h50
  text "TOP" at -444.79,6749.91 h50
  text "Copper" at 331.33,6749.91 h50
  text "1.60mil" at 1049.14,6749.91 h50
  text "4" at -787.72,6649.91 h50
  text "Dielectric 1" at -444.79,6649.91 h50
  text "RO4835 LOPRO" at 331.33,6649.91 h50
  text "4.00mil" at 1049.14,6649.91 h50
  text "3.66" at 1592,6649.91 h50
  text "IMPEDANCE TABLE :" at 3600.83,6555.94 h70
  text "L1-L2" at -1106.13,6551.81 h60 r90
  text "5" at -787.72,6549.91 h50
  text "L2" at -444.79,6549.91 h50
  text "Copper" at 331.33,6549.91 h50
  text "1.20mil" at 1049.14,6549.91 h50
  text "5" at 3430.22,6544.62 h70
  text "6" at -787.72,6449.91 h50
  text "Dielectric2" at -444.79,6449.91 h50
  text "FR4 370HR" at 331.33,6449.91 h50
  text "2.85mil" at 1049.14,6449.91 h50
  text "3.9" at 1592,6449.91 h50
  text "7" at -787.72,6349.91 h50
  text "Dielectric 3" at -444.79,6349.91 h50
  text "FR4 370HR" at 331.33,6349.91 h50
  text "2.85mil" at 1049.14,6349.91 h50
  text "3.9" at 1592,6349.91 h50
  text "8" at -787.72,6249.91 h50
  text "L3" at -444.79,6249.91 h50
  text "Copper" at 331.33,6249.91 h50
  text "1.20mil" at 1049.14,6249.91 h50
  text "LAYER NO" at 3653.01,6214.39 h70
  text "CONDUCTOR WIDTH" at 4298.52,6214.39 h70
  text "IMPEDANCE +/-10%" at 6498.49,6214.26 h70
  text "REFERENCE GND" at 7679.53,6214.26 h70
  text "DIFF. / PAIR / SPACING" at 5360.47,6154.24 h70
  text "9" at -787.72,6149.91 h50
  text "Dielectric4" at -444.79,6149.91 h50
  text "FR4 370HR" at 331.33,6149.91 h50
  text "28.00mil" at 1049.14,6149.91 h50
  text "4.36" at 1592,6149.91 h50
  text "CPWG / SPACING" at 5898.82,6148.65 h70
  text "L1-L6" at -1287.73,6062.58 h60 r90
  text "10" at -787.72,6049.91 h50
  text "L4" at -444.79,6049.91 h50
  text "Copper" at 331.33,6049.91 h50
  text "1.20mil" at 1049.14,6049.91 h50
  text "11" at -787.72,5949.91 h50
  text "Dielectric5" at -444.79,5949.91 h50
  text "FR4 370HR" at 331.33,5949.91 h50
  text "2.92mil" at 1049.14,5949.91 h50
  text "3.9" at 1592,5949.91 h50
  text "7.08mil" at 4585.89,5945.53 h70
  text "1 (TOP)" at 3762.55,5943.06 h70
  text "GND" at 7928.75,5942.93 h70
  text "6.73mil" at 5934.76,5942.19 h70
  text "N/A" at 5444.9,5939.72 h70
  text "50ohm" at 6746,5939.67 h70
  text "12" at -787.72,5849.91 h50
  text "Dielectric 6" at -444.79,5849.91 h50
  text "FR4 370HR" at 331.33,5849.91 h50
  text "2.92mil" at 1049.14,5849.91 h50
  text "3.9" at 1592,5849.91 h50
  text "13" at -787.72,5749.91 h50
  text "L5" at -444.79,5749.91 h50
  text "Copper" at 331.33,5749.91 h50
  text "1.20mil" at 1049.14,5749.91 h50
  text "5.2mil" at 4585.89,5650.53 h70
  text "14" at -787.72,5649.91 h50
  text "Dielectric7" at -444.79,5649.91 h50
  text "FR4 370HR" at 331.33,5649.91 h50
  text "4.00mil" at 1049.14,5649.91 h50
  text "4.26" at 1592,5649.91 h50
  text "1 (TOP)" at 3762.55,5648.06 h70
  text "GND" at 7928.75,5647.93 h70
  text "5mil" at 5444.9,5644.72 h70
  text "N/A" at 5979.8,5644.59 h70
  text "100ohm" at 6746,5644.67 h70
  text "15" at -787.72,5549.91 h50
  text "BOTTOM" at -444.79,5549.91 h50
  text "Copper" at 331.33,5549.91 h50
  text "1.60mil" at 1049.14,5549.91 h50
  text "16" at -787.72,5449.91 h50
  text "Bottom Solder" at -444.79,5449.91 h50
  text "Solder Resist" at 331.33,5449.91 h50
  text "0.80mil" at 1049.14,5449.91 h50
  text "3.5" at 1592,5449.91 h50
  text "17" at -787.72,5349.91 h50
  text "Bottom Overlay" at -444.79,5349.91 h50
  text "THIS IS AN IMPEDANCE CONTROLLED BOARD." at -138.1,5200.05 h75
  text "NOTE :" at -1292.53,5078.05 h75
  text "EXTERNAL LAYER CU THICKNESSES ARE FINISHED THICKNESS AFTER PLATING." at -1218.64,4910.1 h75
  text ".Layer_Name" at -523,-1458.49 h60
M13 Component Bodies Top:
  text ".Layer_Name" at -523,-1458.49 h60
M14 Component Bodies Bottom:
  text ".Layer_Name" at -523,-1458.49 h60
M15 Courtyards Top:
  text ".Layer_Name" at -523,-1458.49 h60
M16 Courtyards Bottom:
  text ".Layer_Name" at -523,-1458.49 h60
Drill Drawing:
  circle w9: c3144.49,3818.01 r27.78
  lines w9: 3116.71,3040.24 3172.27,3040.24 3172.27,3095.79 3116.71,3095.79 3116.71,3040.24 ; 3116.71,3970.79 3172.27,3970.79 3144.49,3915.24 3116.71,3970.79
  lines w10: 3066.68,3002.74 10059.06,3002.74 ; 3066.68,4502.74 10059.06,4502.74 ; 3067.25,4804.65 9682.22,4804.65 ; 3067.25,4929.65 9682.22,4929.65 ; 3150.75,5076.27 3884.08,5076.27 ; 3527.88,2877.74 3527.88,4627.74 ; 3528.44,4679.65 3528.44,5054.65 ; 4029.08,2877.74 4029.08,4627.74 ; 4029.64,4679.65 4029.64,5054.65 ; 4889.06,4679.65 4889.06,5054.65 ; 4988.46,2877.74 4988.46,4627.74 ; 5312.76,4679.65 5312.76,5054.65 ; 5412.16,2877.74 5412.16,4627.74 ; 5926.39,4679.65 5926.39,5054.65 ; 6025.79,2877.74 6025.79,4627.74 ; 6649.99,4679.65 6649.99,5054.65 ; 6985.18,2877.74 6985.18,4627.74 ; 7783.46,4679.65 7783.46,5054.65 ; 8118.65,2877.74 8118.65,4627.74 ; 8776.97,4679.65 8776.97,5054.65 ; 9112.16,2877.74 9112.16,4627.74 ; 3066.68,2877.74 10059.06,2877.74 10059.06,4627.74 3066.68,4627.74 3066.68,2877.74 ; 3067.25,4679.65 9682.22,4679.65 9682.22,5054.65 3067.25,5054.65 3067.25,4679.65
  text "DRILL CHART :" at 3150.16,5099.49 h60
  text "Symbol" at 3142.25,4967.15 h60
  text "Count" at 3565.94,4967.15 h60
  text "Hole Size" at 4067.14,4967.15 h60
  text "Plated" at 4926.56,4967.15 h60
  text "Hole Type" at 5350.26,4967.15 h60
  text "Hole Length" at 5963.89,4967.15 h60
  text "Routed Path Length" at 6687.49,4967.15 h60
  text "Drill Layer Pair" at 7820.96,4967.15 h60
  text "Tolerance" at 8814.47,4967.15 h60
  text "508" at 3565.94,4842.15 h50
  text "5.90mil (0.150mm)" at 4067.14,4842.15 h50
  text "PTH" at 4926.56,4842.15 h50
  text "Round" at 5350.26,4842.15 h50
  text "-" at 5963.89,4842.15 h50
  text "-" at 6687.49,4842.15 h50
  text "TOP - L2" at 7820.96,4842.15 h50
  text "+0.00mil/-5.90mil" at 8814.47,4842.15 h50
  text "A" at 3117.55,4833.16 h55.56
  text "508 Total" at 3565.94,4717.15 h50
  text "Symbol" at 3141.68,4540.24 h60
  text "Count" at 3565.38,4540.24 h60
  text "Hole Size" at 4066.58,4540.24 h60
  text "Plated" at 5025.96,4540.24 h60
  text "Hole Type" at 5449.66,4540.24 h60
  text "Hole Length" at 6063.29,4540.24 h60
  text "Routed Path Length" at 7022.68,4540.24 h60
  text "Drill Layer Pair" at 8156.15,4540.24 h60
  text "Hole Tolerance" at 9149.66,4540.24 h60
  text "15" at 3565.38,4415.24 h50
  text "7.87mil (0.200mm)" at 4066.58,4415.24 h50
  text "PTH" at 5025.96,4415.24 h50
  text "Round" at 5449.66,4415.24 h50
  text "-" at 6063.29,4415.24 h50
  text "-" at 7022.68,4415.24 h50
  text "TOP - BOTTOM" at 8156.15,4415.24 h50
  text "+0.00mil/-7.87mil" at 9149.66,4415.24 h50
  text "B" at 3116.98,4406.24 h55.56
  text "621" at 3565.38,4290.24 h50
  text "12.20mil (0.310mm)" at 4066.58,4290.24 h50
  text "PTH" at 5025.96,4290.24 h50
  text "Round" at 5449.66,4290.24 h50
  text "-" at 6063.29,4290.24 h50
  text "-" at 7022.68,4290.24 h50
  text "TOP - BOTTOM" at 8156.15,4290.24 h50
  text "+0.00mil/-12.20mil" at 9149.66,4290.24 h50
  text "C" at 3116.98,4281.24 h55.56
  text "2" at 3565.38,4165.24 h50
  text "23.62mil (0.600mm)" at 4066.58,4165.24 h50
  text "PTH" at 5025.96,4165.24 h50
  text "Slot" at 5449.66,4165.24 h50
  text "51.18mil (1.300mm)" at 6063.29,4165.24 h50
  text "27.56mil (0.700mm)" at 7022.68,4165.24 h50
  text "TOP - BOTTOM" at 8156.15,4165.24 h50
  text "+/-3.00mil" at 9149.66,4165.24 h50
  text "D" at 3116.98,4156.24 h55.56
  text "2" at 3565.38,4040.24 h50
  text "33.47mil (0.850mm)" at 4066.58,4040.24 h50
  text "PTH" at 5025.96,4040.24 h50
  text "Round" at 5449.66,4040.24 h50
  text "-" at 6063.29,4040.24 h50
  text "-" at 7022.68,4040.24 h50
  text "TOP - BOTTOM" at 8156.15,4040.24 h50
  text "+/-3.00mil" at 9149.66,4040.24 h50
  text "E" at 3116.98,4031.24 h55.56
  text "2" at 3565.38,3915.24 h50
  text "39.37mil (1.000mm)" at 4066.58,3915.24 h50
  text "PTH" at 5025.96,3915.24 h50
  text "Slot" at 5449.66,3915.24 h50
  text "118.11mil (3.000mm)" at 6063.29,3915.24 h50
  text "78.74mil (2.000mm)" at 7022.68,3915.24 h50
  text "TOP - BOTTOM" at 8156.15,3915.24 h50
  text "+/-3.00mil" at 9149.66,3915.24 h50
  text "1" at 3565.38,3790.24 h50
  text "39.37mil (1.000mm)" at 4066.58,3790.24 h50
  text "PTH" at 5025.96,3790.24 h50
  text "Slot" at 5449.66,3790.24 h50
  text "137.79mil (3.500mm)" at 6063.29,3790.24 h50
  text "98.43mil (2.500mm)" at 7022.68,3790.24 h50
  text "TOP - BOTTOM" at 8156.15,3790.24 h50
  text "+/-3.00mil" at 9149.66,3790.24 h50
  text "8" at 3565.38,3665.24 h50
  text "40.00mil (1.016mm)" at 4066.58,3665.24 h50
  text "PTH" at 5025.96,3665.24 h50
  text "Round" at 5449.66,3665.24 h50
  text "-" at 6063.29,3665.24 h50
  text "-" at 7022.68,3665.24 h50
  text "TOP - BOTTOM" at 8156.15,3665.24 h50
  text "+/-3.00mil" at 9149.66,3665.24 h50
  text "H" at 3116.98,3656.24 h55.56
  text "2" at 3565.38,3540.24 h50
  text "40.16mil (1.020mm)" at 4066.58,3540.24 h50
  text "NPTH" at 5025.96,3540.24 h50
  text "Round" at 5449.66,3540.24 h50
  text "-" at 6063.29,3540.24 h50
  text "-" at 7022.68,3540.24 h50
  text "TOP - BOTTOM" at 8156.15,3540.24 h50
  text "+/-2.00mil" at 9149.66,3540.24 h50
  text "J" at 3116.98,3531.24 h55.56
  text "5" at 3565.38,3415.24 h50
  text "40.16mil (1.020mm)" at 4066.58,3415.24 h50
  text "PTH" at 5025.96,3415.24 h50
  text "Round" at 5449.66,3415.24 h50
  text "-" at 6063.29,3415.24 h50
  text "-" at 7022.68,3415.24 h50
  text "TOP - BOTTOM" at 8156.15,3415.24 h50
  text "+/-3.00mil" at 9149.66,3415.24 h50
  text "I" at 3126.24,3406.24 h55.56
  text "3" at 3565.38,3290.24 h50
  text "47.24mil (1.200mm)" at 4066.58,3290.24 h50
  text "PTH" at 5025.96,3290.24 h50
  text "Round" at 5449.66,3290.24 h50
  text "-" at 6063.29,3290.24 h50
  text "-" at 7022.68,3290.24 h50
  text "TOP - BOTTOM" at 8156.15,3290.24 h50
  text "+/-3.00mil" at 9149.66,3290.24 h50
  text "K" at 3116.98,3281.24 h55.56
  text "2" at 3565.38,3165.24 h50
  text "157.48mil (4.000mm)" at 4066.58,3165.24 h50
  text "PTH" at 5025.96,3165.24 h50
  text "Round" at 5449.66,3165.24 h50
  text "-" at 6063.29,3165.24 h50
  text "-" at 7022.68,3165.24 h50
  text "TOP - BOTTOM" at 8156.15,3165.24 h50
  text "+/-3.00mil" at 9149.66,3165.24 h50
  text "L" at 3116.98,3156.24 h55.56
  text "4" at 3565.38,3040.24 h50
  text "160.00mil (4.064mm)" at 4066.58,3040.24 h50
  text "NPTH" at 5025.96,3040.24 h50
  text "Round" at 5449.66,3040.24 h50
  text "-" at 6063.29,3040.24 h50
  text "-" at 7022.68,3040.24 h50
  text "TOP - BOTTOM" at 8156.15,3040.24 h50
  text "+/-2.00mil" at 9149.66,3040.24 h50
  text "667 Total" at 3565.38,2915.24 h50
  text "Slot definitions :" at 3141.68,2793.09 h50
  text "Routed Path Length" at 4004.12,2793.09 h50
  text "= Calculated from tool start centre position to tool end centre position." at 4924.87,2793.09 h50
  text "Hole Length" at 4004.12,2708.45 h50
  text "= Routed Path Length + Tool Size = Slot length as defined in the PCB layout" at 4583.32,2708.45 h50
  text "FAB" at -523,-1458.49 h60
M17 Embedded Cavity:
  text ".Layer_Name" at -523,-1458.49 h60
M18 Embedded Assembly:
  text ".Layer_Name" at -523,-1458.49 h60
M19 Embedded Keepout:
  text ".Layer_Name" at -523,-1458.49 h60

## Dimensions
0,0 to -32.75,-162.5 on M2 Board Dimensions
-32.75,2402.5 to 0,0 on M2 Board Dimensions
17.3,-16.34 to 200.82,-166.75 on M2 Board Dimensions
3068.39,2390.81 to 3173.4,2436.16 on M2 Board Dimensions
-102.75,-92.5 to 0,0 on M2 Board Dimensions
0,0 to 3077.25,-92.5 on M2 Board Dimensions

## Text inside footprints (layer, text, board x,y; h text height)
Logo2: Top Overlay "For evaluation only; not FCC approved for resale." at 1674.4,2350.27 h60
ZZ1: M5 Assembly Top "Install label in silkscreened box after final wash.  Text shall be 8 pt font.  Text shall be per the Label Table in the PDF schematic." at -439.07,3109.33 h40